# Altium PCB RFSOC_SAWG.PcbDoc (part 9 of 15) (continued)
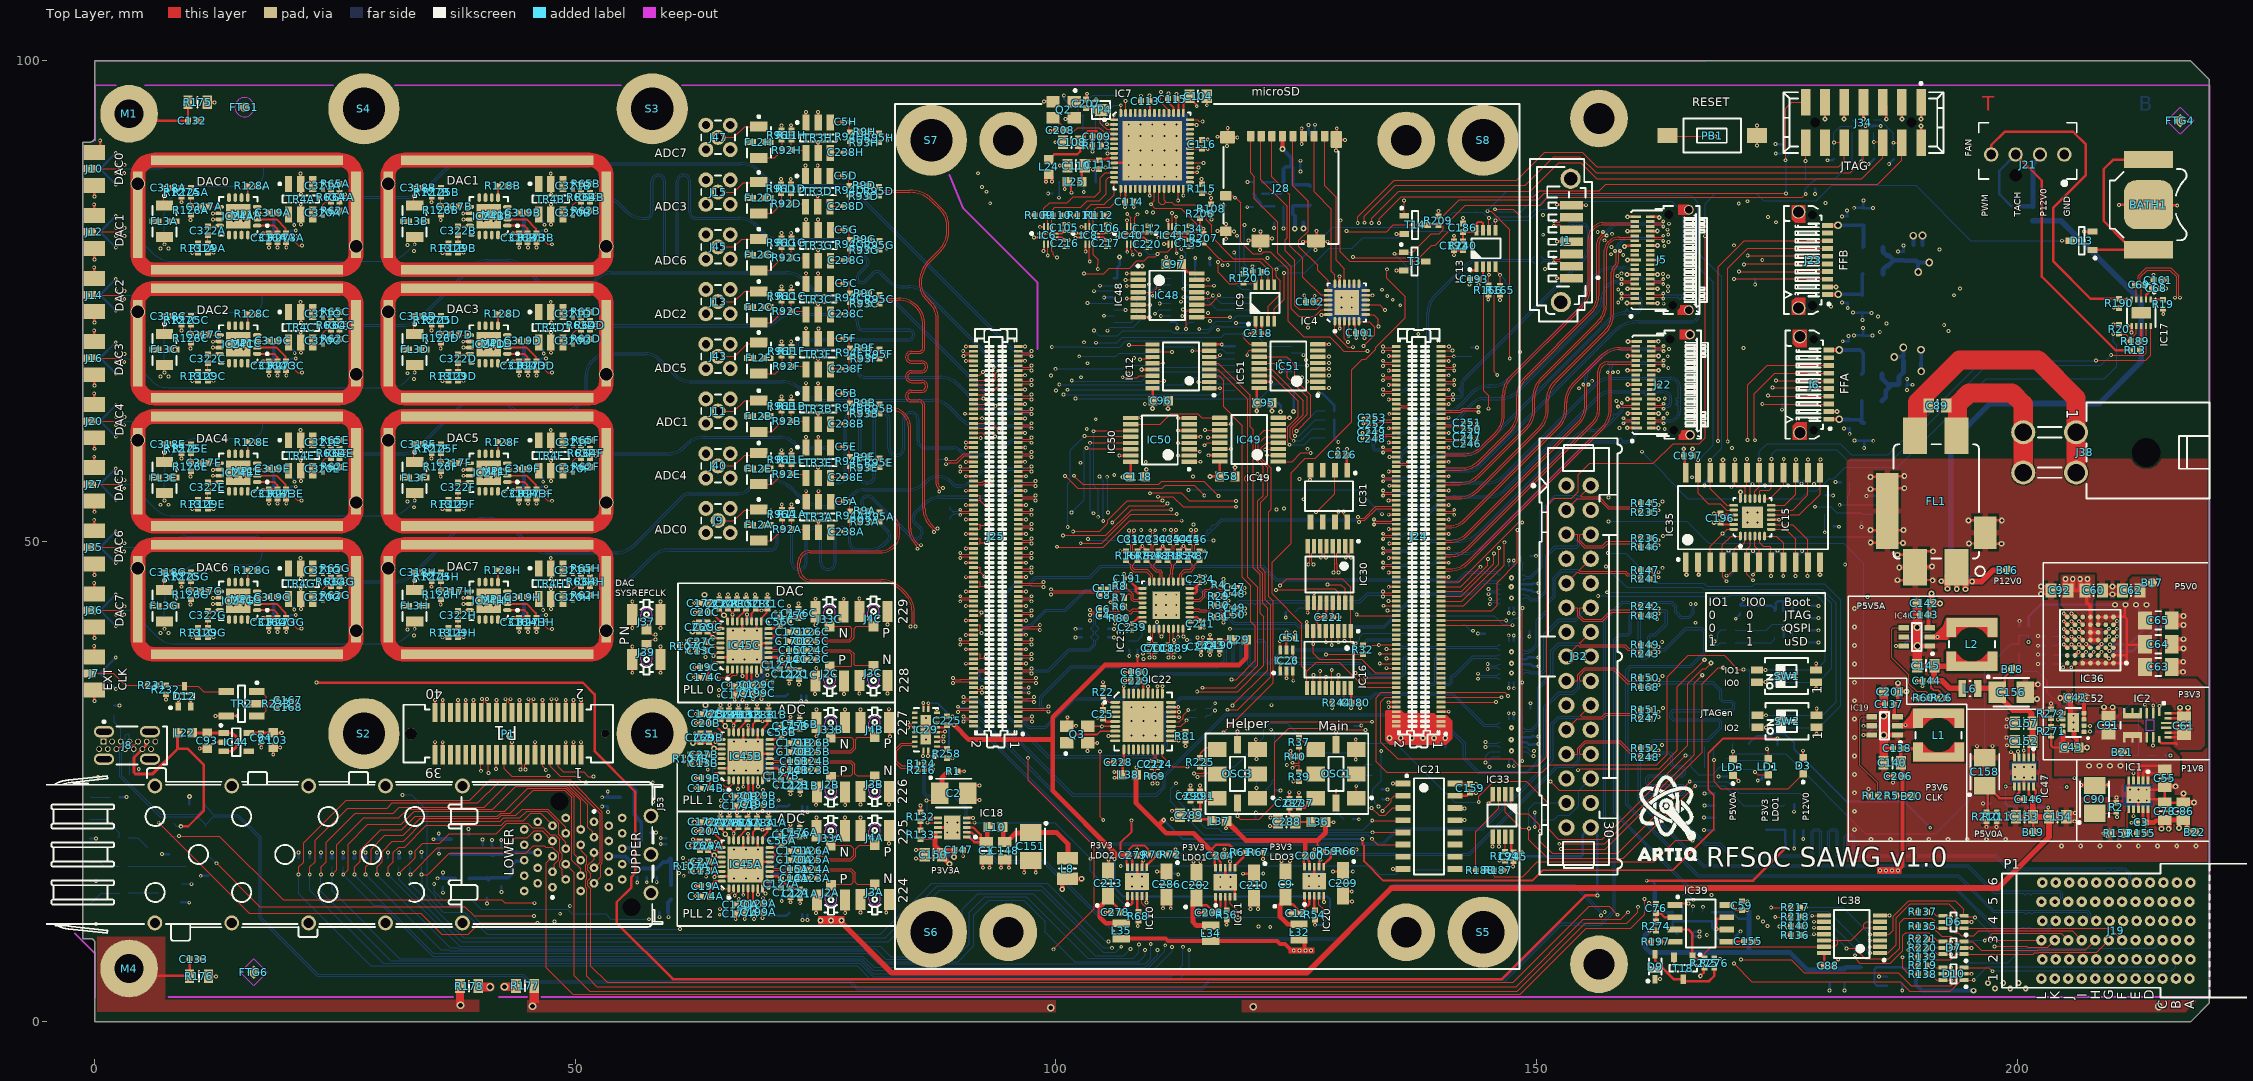
[diagram p0: Top Layer view]
## Nets (pads, with @x,y where several pads share a name; then routed paths per layer and width w, separated by ;. In a path a pad name is that pad's centre, name@x,y a point inside that pad or via, vN(x,y) a via of type N, cw(c..) or ccw(c..) an arc to the next point about the centre after c; other vN are vias at no path point) (continued)
  Top Layer w0.3: IC18.8@87.725,20.225 IC18.11@89.225,20.225
  Top Layer w0.4: 186.125,28.45 C138.1@186.975,28.45 ; v7@186.125,29.95 186.215,29.86 IC19.1@187.565,29.86 ; v7(189.656,39.101) IC46.1@190.918,39.1 ; v1(198.925,29.582) 199.475,29.582 199.8,29.257 C152.2@199.8,29.175 199.8,29.111 199.475,28.786 v1(198.95,28.786) ; v1(198.925,30.75) C157.1@199.45,30.75 ; v1(198.95,31.486) 199.475,31.486 199.8,31.161 C157.1@199.8,31.05 ; v1(199.05,21.686) 199.55,21.686 199.875,21.361 C153.2@199.875,21.325 ; v1(200.163,23.161) 200.736,23.161 C146.1@200.75,23.175 ; v1@204.887,39.279 IC36.C7@205.237,38.929 ; v1@204.887,40.079 IC36.D7@205.237,39.729 ; v1@204.887,40.879 IC36.E7@205.237,40.529 ; v1@204.887,41.679 IC36.F7@205.237,41.329 ; v1@204.887,42.479 IC36.G7@205.237,42.129 ; C154.2@205.36,20.871 v1(205.979,20.871) ; C154.2@205.425,21.725 v1(206.044,21.725) ; v1(205.662,39.279) 205.687,39.279 IC36.C6@206.037,38.929 ; v1(205.662,40.079) 205.687,40.079 IC36.D6@206.037,39.729 ; v1(205.662,40.879) 205.687,40.879 IC36.E6@206.037,40.529 ; v1(205.662,41.679) 205.687,41.679 IC36.F6@206.037,41.329 ; v1(205.662,42.479) 205.687,42.479 IC36.G6@206.037,42.129 ; IC36.B6@206.037,38.129 206.387,38.479 v1(206.387,38.504) ; v1(206.462,39.279) 206.487,39.279 IC36.C5@206.837,38.929 ; v1(206.462,40.079) 206.487,40.079 IC36.D5@206.837,39.729 ; v1(206.462,40.879) 206.487,40.879 IC36.E5@206.837,40.529 ; v1(206.462,41.679) 206.487,41.679 IC36.F5@206.837,41.329 ; v1@207.233,39.3 IC36.C4@207.604,38.929 ; IC36.C3@208.437,38.929 v1@208.787,39.279 ; IC36.B2@209.237,38.129 209.237,38.106 209.539,37.804 v1(209.587,37.804)
  Top Layer w0.5: R258.2@88.667,27.453 R258.2@88.694,27.425 ; C156.2@201.425,33.575 v4@202.075,33.575 ; C156.2@201.5,35.1 v4@202.15,35.1 ; v4@204.523,33.715 C42.2@205.173,33.715 ; C42.2@205.35,33.725 205.575,33.5 205.575,31.9 205.625,31.85 v2(205.875,31.85) ; v2(205.875,30.425) 205.891,30.425 205.916,30.4 205.916,29.693 206.211,29.397 206.211,28.764 C43.2@206.425,28.55 ; C43.2@206.625,28.525 v4@207.275,28.525 ; C91.1@209.075,32.075 v4@209.075,32.725 ; C91.1@209.973,32.065 v4@209.973,32.716 ; C55.2@215.85,24.525 v4@216.471,24.525 ; C64.2@216.1,39.3 216.1,39.346 216.575,39.821 v4(217.327,39.821) ; C64.2@216.525,38.65 216.525,38.79 216.575,38.84 v4(217.315,38.84) ; C65.2@216.55,41.225 216.55,41.274 216.575,41.299 v4(217.315,41.299) ; C63.2@216.575,36.375 216.575,36.419 v4(217.281,36.419) ; C63.2@216.575,37.45 v4@217.225,37.45 ; C65.2@216.625,42.325 216.69,42.26 217.317,42.26 v4(217.336,42.24) ; C61.1@216.975,32.025 216.975,32.1 v4@216.975,32.675 ; C86.2@217.3,23.125 v4@217.3,23.746 ; C86.2@217.775,22.85 v4@218.396,22.85 ; C61.1@217.825,32.025 v4@217.825,32.675
  Top Layer w0.9: v7(42.619,3.665) 43.775,3.665 R177.2@43.775,3.675 ; C140.1@186.125,26.95 186.125,28.45 186.125,29.95 C201.1@186.125,34.15
  Top Layer w1: C145.1@189.625,37.075 189.625,37.273 189.623,37.275 189.623,39.068 v7(189.656,39.101) 189.623,39.134 v7(189.623,41.06) 189.623,43.548 C142.1@189.625,43.55
  Bottom Layer w0.2: v1(20.912,42.351) 20.45,42.351 C315G.1@20.134,42.035 20.402,41.768 v1(20.957,41.768) ; v1(20.912,55.686) 20.45,55.686 C315E.1@20.134,55.37 20.402,55.103 v1(20.957,55.103) ; v1(20.912,69.021) 20.45,69.021 C315C.1@20.134,68.705 20.402,68.438 v1(20.957,68.438) ; v1(20.912,82.356) 20.45,82.356 C315A.1@20.134,82.04 20.402,81.773 v1(20.957,81.773) ; v1(46.947,42.351) 46.485,42.351 C315H.1@46.169,42.035 46.437,41.768 v1(46.992,41.768) ; v1(46.947,55.686) 46.485,55.686 C315F.1@46.169,55.37 46.437,55.103 v1(46.992,55.103) ; v1(46.947,69.021) 46.485,69.021 46.169,68.705 46.437,68.438 v1(46.992,68.438) ; v1(46.947,82.356) 46.485,82.356 C315B.1@46.169,82.04 46.437,81.773 v1(46.992,81.773) ; v1(99.2,86.2) C107.1@99.65,86.2 ; R77.1@107.6,38.73 107.636,38.694 v1(107.636,38.086) ; IC32.8@111.925,72.802 112.45,72.802 112.612,72.64 112.612,72.188 v3(112.625,72.175) ; v1(113.625,39.725) 114.052,39.725 C187.1@114.068,39.708 ; v1(118.725,72.725) 120.223,72.725 IC34.8@120.3,72.802 ; v1(147.111,32.116) 147.119,32.108 147.119,31.518 IC42.20@147.128,31.509 ; v1(147.111,40.223) 147.119,40.215 147.119,39.624 IC28.20@147.128,39.616 ; v1(147.111,48.021) 147.119,48.012 147.119,47.422 IC27.20@147.128,47.414 ; v1(147.118,26.627) 147.123,26.632 147.123,27.205 IC42.11@147.128,27.209 ; v1(147.118,34.734) 147.123,34.739 147.123,35.311 IC28.11@147.128,35.316 ; v1(147.118,42.532) 147.123,42.536 147.123,43.109 IC27.11@147.128,43.114 ; v1(149.256,40.102) 149.263,40.109 149.263,40.693 R256.2@149.27,40.7 ; R255.2@149.37,48.5 149.377,48.493 v1(149.941,48.493) ; v1(149.375,33.15) 149.387,33.138 149.387,32.613 R143.2@149.4,32.6 ; C119.1@149.6,29.75 149.65,29.7 v1(150.2,29.7) ; C224.1@149.6,37.95 149.65,37.9 v1(150.2,37.9) ; C223.1@149.65,45.6 v1(150.2,45.6)
  Bottom Layer w0.254: J7.2@0.35,36.25 J7.2@0.523,36.25 ; J36.2@0.35,42.813 J36.2@0.523,42.813 ; J35.2@0.35,49.375 J35.2@0.523,49.375 ; J27.2@0.35,55.937 J27.2@0.523,55.937 ; J20.2@0.35,62.5 J20.2@0.523,62.5 ; J16.2@0.35,69.062 J16.2@0.523,69.062 ; J14.2@0.35,75.625 J14.2@0.523,75.625 ; J12.2@0.35,82.187 J12.2@0.523,82.187 ; J10.2@0.35,88.75 J10.2@0.523,88.75 ; R99.2@2.025,32.92 2.564,32.92 v1(2.571,32.927) ; v1(2.177,37.904) J7.2@0.523,36.25 ; v1(2.177,44.466) J36.2@0.523,42.813 ; v1(2.177,51.029) J35.2@0.523,49.375 ; v1(2.177,57.591) J27.2@0.523,55.937 ; v1(2.177,64.154) J20.2@0.523,62.5 ; v1(2.177,70.716) J16.2@0.523,69.062 ; v1(2.177,77.279) J14.2@0.523,75.625 ; v1(2.177,83.841) J12.2@0.523,82.187 ; v1(2.177,90.404) J10.2@0.523,88.75 ; v1(2.186,34.637) 0.573,36.25 J7.2@0.523,36.25 ; v1(2.186,41.199) 0.573,42.813 J36.2@0.523,42.813 ; v1(2.186,47.762) 0.573,49.375 J35.2@0.523,49.375 ; v1(2.186,54.324) 0.573,55.937 J27.2@0.523,55.937 ; v1(2.186,60.887) 0.573,62.5 J20.2@0.523,62.5 ; v1(2.186,67.449) 0.573,69.062 J16.2@0.523,69.062 ; v1(2.186,74.012) 0.573,75.625 J14.2@0.523,75.625 ; v1(2.186,80.574) 0.573,82.187 J12.2@0.523,82.187 ; v1(2.186,87.137) 0.573,88.75 J10.2@0.523,88.75 ; R100.2@4.57,25.725 4.573,25.728 4.573,26.298 v1(4.575,26.3) ; v1(6.975,17.45) 7,17.425 T16.2@7.775,17.425 ; T5.2@8.975,12.475 9.022,12.428 9.797,12.428 v1(9.825,12.4) ; D4.1@9.831,22.623 9.831,23.448 v3(9.84,23.457) ; v1(11.025,15.2) 11.037,15.212 11.813,15.212 T11.2@11.825,15.225 ; R130.1@21.199,17.071 v1@21.199,17.637 ; R288.1@22.363,17.071 v1@22.363,17.637 ; R287.1@23.527,17.071 v1(23.526,17.638) ; R295.1@30.508,17.071 v1@30.508,17.637 ; R294.1@32.836,17.071 v1(32.835,17.638) ; R293.1@33.999,17.071 v1@33.999,17.667 ; C181.1@35.79,18.085 35.8,18.075 35.8,17.502 v1(35.81,17.493) ; C178.1@36.215,14.035 36.225,14.025 36.225,13.452 v1(36.235,13.443) ; v1(38.89,20.082) 38.9,20.073 38.9,19.5 C179.1@38.91,19.49 ; v1(40.34,18.982) 40.35,18.973 40.35,18.4 C323.1@40.36,18.39 ; C184.1@40.79,12.91 40.8,12.9 40.8,12.327 v1(40.81,12.318) ; v1(41.315,18.932) 41.325,18.923 C182.1@41.325,18.35 C182.1@41.335,18.34 ; v1(42.29,18.932) 42.3,18.923 C183.1@42.3,18.35 C183.1@42.31,18.34 ; C185.1@42.299,14.098 42.308,14.088 42.308,13.516 v1(42.318,13.506) ; v1(52.793,22.415) 52.802,22.425 C258.1@53.375,22.425 ; C258.1@53.365,22.435 C258.1@53.375,22.425 ; v1@53.375,21.852 C258.1@53.375,22.425 ; C258.1@53.385,22.435 C258.1@53.375,22.425 ; C261.1@56.4,15.075 56.421,15.054 56.421,14.522 v1(56.443,14.5) ; v1(57.432,14.527) 57.441,14.536 C262.1@57.441,15.034 ; C265.1@57.79,19.69 57.8,19.7 58.373,19.7 v1(58.382,19.71) ; C264.1@58.05,24.375 58.054,24.379 58.054,24.932 v1(58.058,24.937) ; v1(58.067,22.863) 58.071,22.868 58.071,23.421 C264.1@58.075,23.425 ; v1(58.465,14.534) 58.47,14.539 58.47,15.03 C263.1@58.465,15.035 ; v1(58.739,10.894) 58.744,10.9 58.744,11.419 C259.1@58.75,11.425 ; v1(58.888,18.508) 58.893,18.504 59.446,18.504 C260.1@59.45,18.5 ; v1(58.888,19.133) 58.893,19.129 59.446,19.129 C260.1@59.45,19.125 ; v1(63.525,37.981) C28C.1@63.525,38.6 ; v1(63.616,15.107) 63.633,15.124 63.633,15.758 C28A.1@63.65,15.775 ; v1(63.775,26.257) C28B.1@63.775,26.9 ; C139C.1@64.972,43.934 64.976,43.938 64.976,44.492 v1(64.98,44.496) ; C139A.1@65.1,21.16 65.104,21.164 65.104,21.718 v1(65.108,21.722) ; C139B.1@65.1,32.401 65.104,32.405 65.104,32.958 v1(65.108,32.962) ; C22C.1@65.889,43.925 65.893,43.929 65.893,44.482 v1(65.897,44.486) ; C22A.1@66.017,21.151 66.022,21.155 66.022,21.708 v1(66.026,21.712) ; C22B.1@66.017,32.392 66.022,32.396 66.022,32.949 v1(66.026,32.953) ; C173C.1@68.579,43.729 68.688,43.838 v1(68.688,44.48) ; C173A.1@68.8,20.809 68.984,20.993 v1(68.984,21.732) ; C173B.1@68.9,32.432 68.904,32.436 68.904,32.989 v1(68.908,32.994) ; C30C.1@69.972,43.933 69.976,43.937 69.976,44.491 v1(69.98,44.495) ; C30A.1@70.1,21.159 70.104,21.163 70.104,21.717 v1(70.108,21.721) ; C30B.1@70.1,32.432 70.104,32.436 70.104,32.989 v1(70.108,32.994) ; v1(70.3,12.625) 70.3,12.585 70.337,12.548 70.337,11.977 C130A.1@70.525,11.789 ; C130B.1@70.437,23.057 v1(71.159,23.057) ; v1(70.525,35.4) 70.525,34.435 C130C.1@70.538,34.422 ; C16C.1@70.657,39.016 70.926,39.285 70.956,39.285 71.148,39.477 v1(71.181,39.477) ; v1(70.713,36.552) 70.741,36.58 70.741,36.887 71.101,37.247 71.955,37.247 C17C.1@72.045,37.337 ; v1(70.785,25.094) 71.415,25.724 72.108,25.724 C17B.1@72.147,25.763 ; C16A.1@70.787,16.214 71.271,16.698 v1@71.305,16.698 ; C16B.1@70.787,27.429 71.355,27.998 v1(71.36,27.998) ; C18C.1@70.822,42.093 70.826,42.097 70.826,42.65 v1(70.83,42.654) ; v1(70.828,13.851) 70.828,13.861 71.337,14.369 72.01,14.369 C17A.1@72.259,14.617 ; C18A.1@70.95,19.319 70.954,19.323 70.954,19.876 v1(70.958,19.88) ; C18B.1@70.95,30.56 70.954,30.564 70.954,31.117 v1(70.958,31.121) ; v1(85.441,16.997) 85.952,16.997 86.35,17.395 C149.2@86.35,17.4 86.35,17.499 85.952,17.897 v1(85.441,17.897) ; v1(102.05,40.9) 102.063,40.912 102.668,40.912 R78.1@102.68,40.925 ; v1(103.875,88.675) 104.13,88.42 IC37.5@104.13,87.375 ; v1(105.025,75.375) 105.038,75.388 106.012,75.388 IC32.13@106.025,75.402 ; R76.1@105.42,40.925 105.438,40.907 106.012,40.907 v1(106.03,40.889) ; C117.1@108.225,78.7 108.275,78.65 v3(108.975,78.65) ; v1@110.512,41.588 110.512,40.913 C215.1@110.575,40.85 ; R71.1@112.095,15.575 112.095,15.555 112.258,15.392 112.643,15.392 112.688,15.347 v1(112.727,15.347) ; v1(113.25,75.4) IC34.13@114.399,75.401 ; v1(116.006,79.455) 116.006,78.769 C85.1@116.075,78.7 ; v1(119.936,87.4) 119.948,87.387 120.518,87.387 R224.2@120.53,87.375 ; R25.1@121.02,15.4 121.038,15.418 121.559,15.418 v1(121.577,15.437) ; v1(122.7,82.6) 122.715,82.615 122.715,83.135 R201.2@122.73,83.15 ; R91.1@122.76,24.1 122.775,24.086 123.344,24.086 v1(123.358,24.072) ; C77.1@123.125,64.4 123.375,64.15 v3(123.375,63.475) ; v1(123.373,67.675) IC43.13@124.5,67.675 ; v1(125.452,88.481) 125.437,88.496 125.437,89.038 C98.1@125.422,89.053 125.442,89.073 125.442,89.583 v1(125.462,89.603) ; v1(126.3,93.325) 126.3,92.4 C100.1@126.575,92.125 126.95,92.5 v1(126.95,93.35) ; v1(127.281,42.102) v1(127.281,42.102) C222.1@127.929,42.1 C222.1@127.929,42.1 ; R142.2@128.945,62.65 R144.2@128.945,61.725 R154.2@128.945,60.8 128.945,60.78 v1(129.385,60.34) ; R10.1@130.345,15.633 130.877,15.633 v1(130.893,15.649) ; R90.1@133.92,24.2 133.925,24.195 134.515,24.195 v1(134.52,24.191) ; v1(134.625,32.77) 135.053,32.77 135.333,33.05 TP2.1@135.468,33.05 ; R122.1@143.225,70.17 143.82,70.17 v1(143.825,70.175) ; v1(143.9,40.4) 143.912,40.388 144.637,40.388 T13.2@144.65,40.375 ; IC42.5@148.528,29.609 149.459,29.609 C119.1@149.6,29.75 ; IC28.5@148.528,37.716 148.941,37.716 149.175,37.95 C224.1@149.6,37.95 ; IC27.5@148.528,45.514 149.564,45.514 C223.1@149.65,45.6 ; v1(149.825,20.275) D8.2@149.825,21.025 v1(149.825,21.775) ; v1(166.953,9.395) 166.42,9.395 C41.1@166.175,9.15 166.433,8.892 v1(166.965,8.892) ; v1(167.425,19.95) 167.435,19.96 168.515,19.96 IC25.1@168.525,19.97 ; v1(167.45,21.25) 167.455,21.245 168.52,21.245 IC25.2@168.525,21.24 ; v1(167.486,23.768) 167.492,23.774 168.519,23.774 IC25.4@168.525,23.78 ; v1(167.499,22.511) IC25.3@168.525,22.51 ; v1(168.925,25.525) 168.93,25.53 169.808,25.53 T23.2@169.813,25.535 ; v1(170.74,41.944) 171.176,42.38 C198.1@171.176,42.503 ; v1(173.025,25.1) 173.053,25.128 173.178,25.128 173.302,25.252 173.452,25.252 173.5,25.3 T2.2@173.5,25.45 ; v1(174.896,90.368) 174.914,90.35 C53.1@175.475,90.35 ; IC53.2@175.726,40.066 v10(175.726,40.938) ; IC3.5@176.8,19.95 176.812,19.938 176.812,18.637 C219.1@176.825,18.625 v1(176.825,18.05) ; IC3.2@176.8,22.65 176.803,22.647 176.803,21.873 v1(176.806,21.87) ; IC3.4@177.75,19.95 177.754,19.946 177.754,19.036 v1(177.757,19.033) ; IC5.4@178.301,39.473 179.33,39.473 v1(179.331,39.472) ; IC5.3@178.301,40.743 179.33,40.743 v1(179.331,40.742) ; T22.2@180.1,54.775 180.873,54.775 v1(180.875,54.773) ; v1(180.5,3.275) C37.1@180.5,4 ; R172.1@180.92,51.55 181.439,51.55 v1(181.474,51.515) ; v1(181.79,74.833) 181.798,74.841 182.391,74.841 C82.2@182.397,74.847 ; v1(181.8,83.8) 181.812,83.812 182.363,83.812 C84.1@182.375,83.825 182.329,83.871 182.329,84.394 v1(182.301,84.422) ; v1(181.865,70.817) 181.873,70.809 182.466,70.809 C75.1@182.472,70.803 ; v1(181.99,61.733) 181.998,61.741 182.591,61.741 C73.2@182.597,61.747 ; v1(182.05,3.275) C36.1@182.05,4 ; v1(182.393,74.288) 182.397,74.291 C82.2@182.397,74.847 ; C82.2@182.4,74.85 C82.2@182.397,74.847 ; v1(182.468,71.362) 182.472,71.359 C75.1@182.472,70.803 ; C75.1@182.475,70.8 C75.1@182.472,70.803 ; v1(182.593,61.188) 182.597,61.191 C73.2@182.597,61.747 ; C73.2@182.6,61.75 C73.2@182.597,61.747 ; v1(182.919,73.8) C81.2@183.9,73.8 C81.2@183.914,73.814 ; v1(183.036,71.427) 183.945,71.427 C74.1@183.986,71.386 ; v1(183.061,84.702) 183.97,84.702 C83.1@184.011,84.661 ; v1(183.105,60.486) 184.086,60.486 C72.2@184.1,60.5 ; R171.1@183.775,52.015 183.798,51.992 183.798,51.507 v1(183.82,51.484) ; v1(183.914,73.014) C81.2@183.914,73.814 ; v1(183.986,72.186) C74.1@183.986,71.386 ; v1(184.011,85.461) C83.1@184.011,84.661 ; v1(184.1,59.7) C72.2@184.1,60.5 ; v1(184.35,54.725) T21.2@185.15,54.725 ; v1(184.864,73.773) 183.955,73.773 C81.2@183.914,73.814 ; v1(184.981,71.4) C74.1@184,71.4 C74.1@183.986,71.386 ; v1(185.006,84.675) C83.1@184.025,84.675 C83.1@184.011,84.661 ; v1(185.05,60.459) 184.141,60.459 C72.2@184.1,60.5 ; D11.2@185.075,93.2 184.275,93.2 v1(184.25,93.225) 184.225,93.2 184.2,93.2 184.25,93.25 184.275,93.225 185.8,93.225 v1(185.825,93.2) ; v1(185.657,4.724) IC14.2@186.474,4.724 ; v1(187.62,80.17) 187.64,80.15 C71.2@188.2,80.15 188.2,80.764 v1(188.195,80.77) ; v1(188.057,3.268) C40.1@188.057,3.993 ; v1(188.54,65.742) 188.545,65.747 188.545,66.295 C80.2@188.55,66.3 ; v1(188.575,66.875) 188.562,66.862 188.562,66.312 C80.2@188.55,66.3 ; v1(189.124,66.291) 189.119,66.296 188.554,66.296 C80.2@188.55,66.3 ; v1(196.475,22.706) 197.17,22.706 R212.1@197.2,22.736 ; R121.1@200.25,41.17 v1(200.25,41.729) ; v1(202.175,37.25) 202.188,37.263 202.838,37.263 C87.1@202.85,37.275 ; v1(202.175,39.133) 202.192,39.15 R183.1@202.83,39.15 ; v1(202.179,38.211) 202.19,38.2 R181.1@202.83,38.2 ; v1(202.193,40.153) 202.221,40.125 C66.2@202.85,40.125 ; R270.1@215.412,27.721 215.414,27.723 215.971,27.723 v1(215.973,27.725)
  Bottom Layer w0.255: v1(117.26,70.471) 117.299,70.471 117.495,70.275 IC43.8@118.6,70.275
  Bottom Layer w0.4: v4@125.775,82.552 C99.2@125.775,83.175 ; C70.2@189.228,80.836 v7@189.228,81.786 ; v7@190.017,67.701 C79.2@190.017,68.651 ; C79.2@190.039,68.963 v7@190.039,69.913 ; C70.2@190.183,80.845 v7@190.183,81.795